# Altium PCB Drive_Board1.PcbDoc
Units mm, origin at the board's own origin, x right, y up, seen from the top; angles counter-clockwise.
Board outline 85.24 x 64.82 mm, 2 copper layers (Top Layer, Bottom Layer); 79 components, 38 nets, 229 pads, 294 vias.
Unrouted connection lines stored in the file: 1.
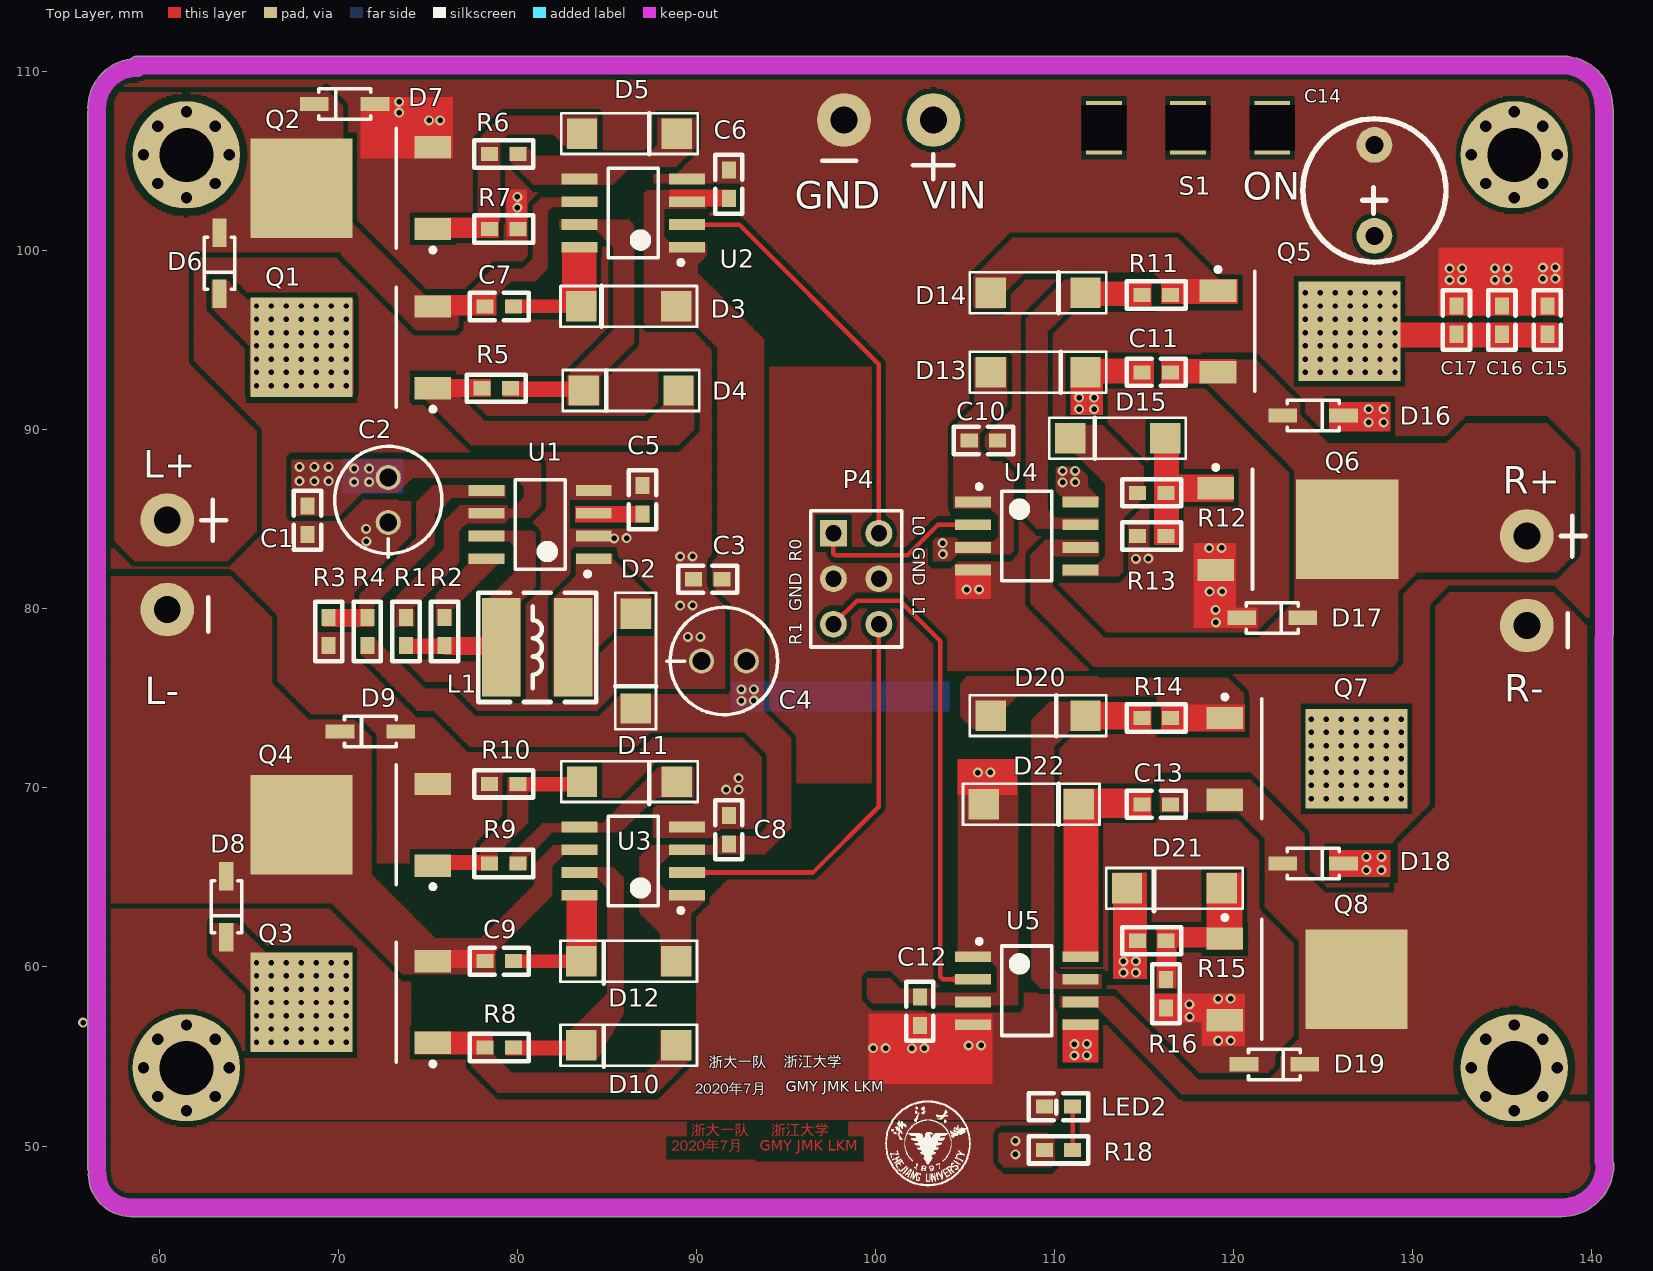
[diagram p0: Top Layer view]
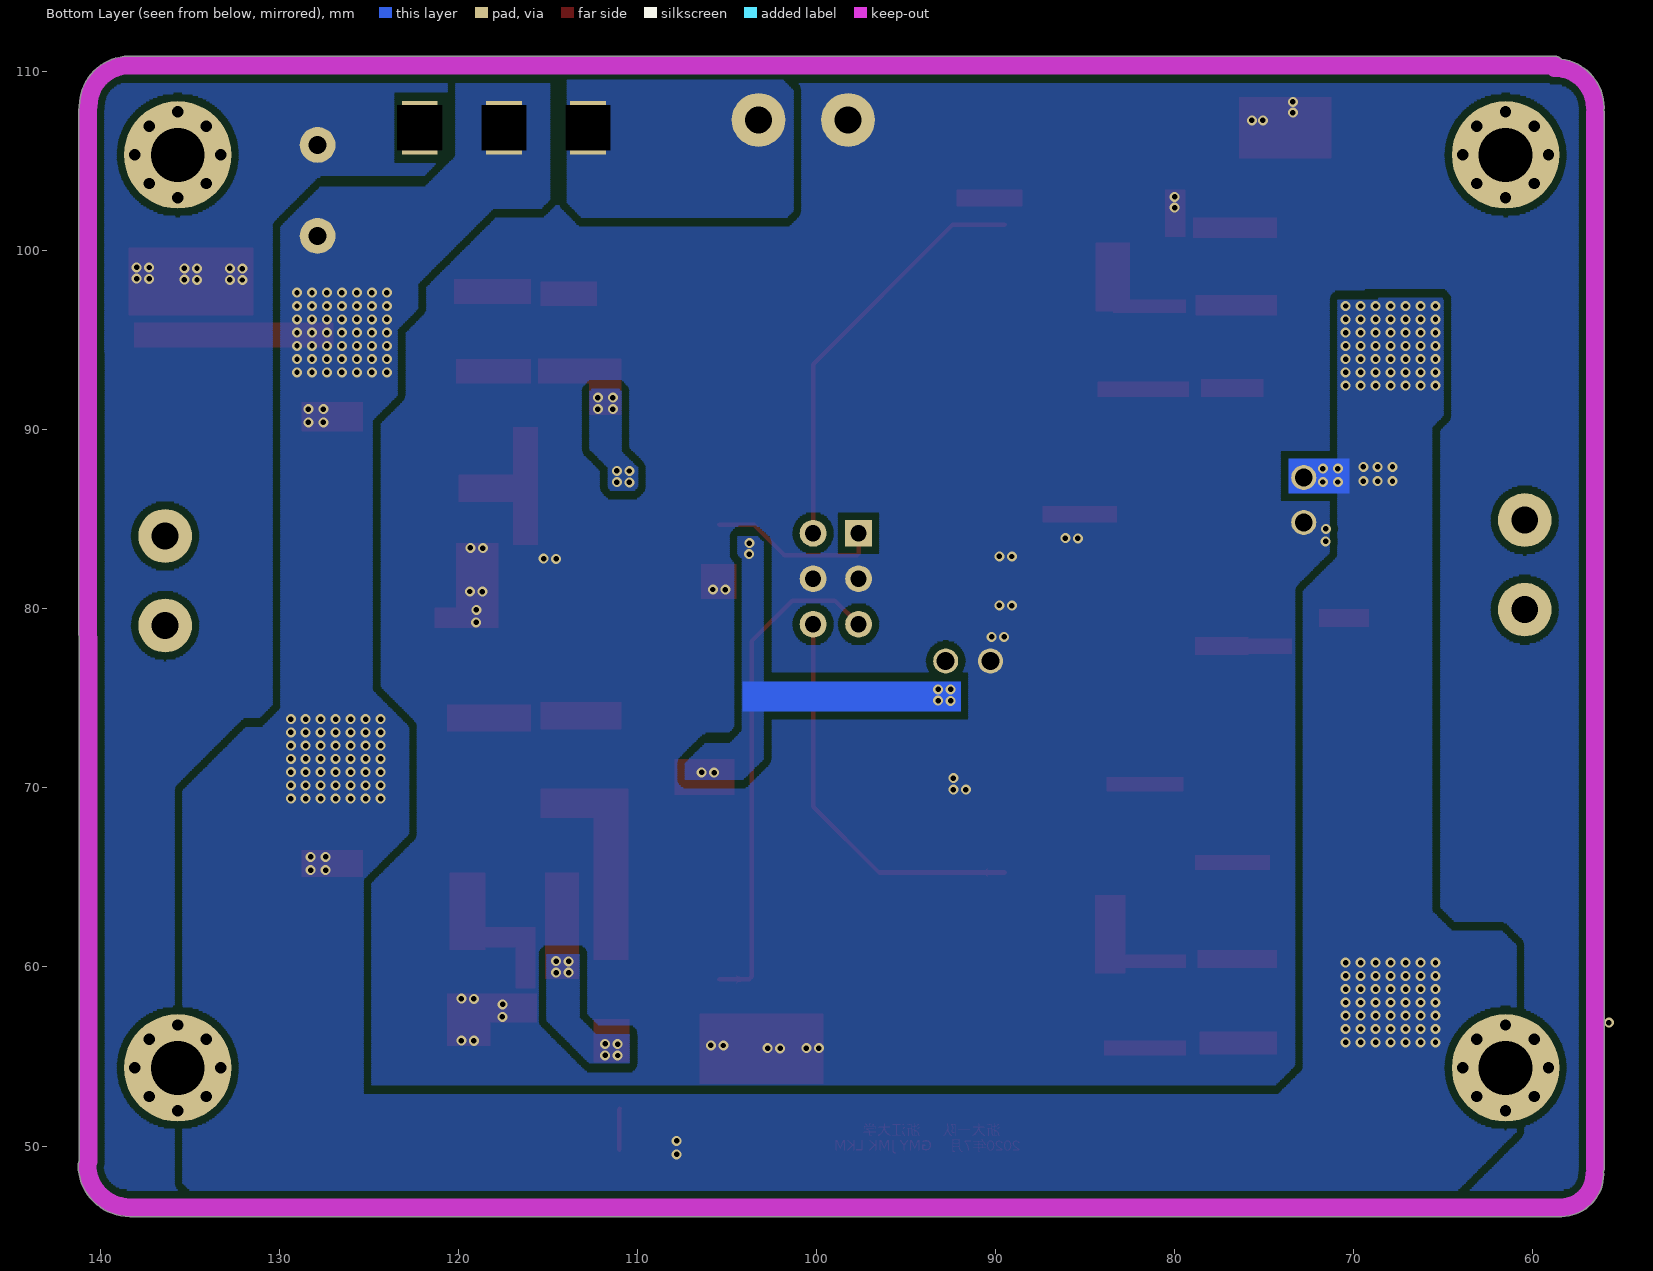
[diagram p1: Bottom Layer view, seen from below]

## Layer stack, top to bottom
Top Solder: solder mask 0.0102, Solder Resist, Dk 3.5
Top Layer: signal copper 0.0356
Dielectric 1: dielectric 0.32, FR-4, Dk 4.8
Bottom Layer: signal copper 0.0356
Bottom Solder: solder mask 0.0102, Solder Resist, Dk 3.5

## Board outline
58.386,46.063 ccw(c58.393,46.571) 58.403,46.063 ccw(c58.42,46.571) 58.42,46.062 138.367,46.062 ccw(c138.367,46.571) 138.371,46.062 ccw(c138.373,46.571) 138.374,46.062 ccw(c138.367,48.954) 141.259,48.912 ccw(c140.75,48.92) 141.259,48.92 ccw(c140.75,48.92) 141.188,49.178 141.224,107.823 ccw(c140.716,107.823) 141.224,107.823 ccw(c140.716,107.823) 141.187,108.014 ccw(c140.683,108.083) 141.192,108.083 ccw(c140.683,108.083) 141.192,108.084 ccw(c138.389,108.077) 138.429,110.88 ccw(c138.422,110.371) 138.409,110.88 ccw(c138.389,110.372) 138.389,110.88 58.782,110.88 ccw(c58.782,110.372) 58.411,110.719 ccw(c58.782,107.978) 56.016,108.018 ccw(c56.524,108.01) 56.036,107.866 ccw(c56.524,107.721) 56.015,107.721 56.015,48.768 ccw(c56.524,48.768) 56.062,48.554 ccw(c56.555,48.431) 56.047,48.429 ccw(c58.42,48.435)

## Design rules (kind name [scope] priority, off if disabled: settings)
Clearance [All] p1: gap=0.254 ignorepadtopadclearanceinfootprint=FALSE
PlaneConnect [All] p1: planeconnectstyle=Direct reliefexpansion=0.508 reliefentries=4 reliefconductorwidth=0.254 reliefairgap=0.254
PolygonConnect [All] p1: connectstyle=Direct reliefconductorwidth=0.254 reliefentries=4 polygonreliefangle="90 Angle" airgapwidth=0.254
RoutingVias [All] p1: holewidth=0.305 width=0.559 viastyle="Through Hole" minholewidth=0.305 minwidth=0.559 maxholewidth=0.305 maxwidth=0.559
SilkToSilkClearance [All] p1: silktosilkclearance=0.051
SolderMaskExpansion [All] p1: expansion=0.102
Width [All] p1: maxlimit=0.254 minlimit=0.254 preferedwidth=0.254
28 further rules are at their usual default settings.

## Classes and differential pairs
component class Sheet2: C1 C2 C3 C4 C5 C6 C7 C8 C9 C10 C11 C12 C13 C14 C15 C16 C17 D2 D3 D4 D5 D6 D7 D8 D9 D10 D11 D12 D13 D14 D15 D16 D17 D18 D19 D20 D21 D22 L1 P4 Q1 Q2 Q3 Q4 Q5 Q6 Q7 Q8 R1 R2 R3 R4 R5 R6 R7 R8 R9 R10 R11 R12 R13 R14 R15 R16 S1 U1 U2 U3 U4 U5

## Components (designator, comment, footprint, x,y, rotation, side; value= is the part's Value field where it differs from the comment)
C1 "Cap" 0603C 68.28,84.963 r90 top value=100nF
C2 "Cap" 电解电容 72.796,87.336 r270 top value=100uF/16V
C3 "Cap" 0603C 90.646,81.661 r0 top value=100nF
C4 "Cap" 电解电容 92.797,77.089 r180 top value=100uF/16V
C5 "Cap" 0603C 86.995,86.106 r270 top value=470pF
C6 "Cap" 0603C 91.821,103.715 r270 top value=100nF
C7 "Cap" 0603C 78.994,96.901 r0 top value=1.5uF
C8 "Cap" 0603C 91.821,67.666 r270 top value=100nF
C9 "Cap" 0603C 78.994,60.325 r0 top value=1.5uF
C10 "Cap" 0603C 106.045,89.408 r180 top value=100nF
C11 "Cap" 0603C 115.697,93.218 r180 top value=1.5uF
C12 "Cap" 0603C 102.489,57.531 r90 top value=100nF
C13 "Cap" 0603C 115.697,69.088 r180 top value=1.5uF
C14 "Cap" CAP5.08/8 127.865,100.797 r90 top value=470uF/16V
C15 "Cap" 0603C 137.541,96.139 r270 top value=100nF
C16 "Cap" 0603C 135.001,96.139 r270 top value=100nF
C17 "Cap" 0603C 132.461,96.139 r270 top value=100nF
D2 "SS14" ss54 86.614,77.089 r90 top
D3 "SS14" ss54 86.233,96.901 r0 top
D4 "SS14" ss54 86.36,92.202 r0 top
D5 "SS14" ss54 86.27,106.553 r0 top
D6 "1N4148" SOD123 63.373,100.965 r270 top
D7 "1N4148" SOD123 72.009,108.204 r180 top
D8 "1N4148" SOD123 63.754,65.022 r270 top
D9 "1N4148" SOD123 73.455,73.152 r180 top
D10 "SS14" ss54 86.233,55.626 r0 top
D11 "SS14" ss54 86.27,70.358 r0 top
D12 "SS14" ss54 86.233,60.325 r0 top
D13 "SS14" ss54 109.093,93.218 r180 top
D14 "SS14" ss54 109.093,97.663 r0 top
D15 "SS14" ss54 113.538,89.535 r0 top
D16 "1N4148" SOD123 122.809,90.805 r0 top
D17 "1N4148" SOD123 120.523,79.502 r0 top
D18 "1N4148" SOD123 122.809,65.786 r0 top
D19 "1N4148" SOD123 120.65,54.559 r0 top
D20 "SS14" ss54 109.093,74.041 r0 top
D21 "SS14" ss54 116.713,64.389 r180 top
D22 "SS14" ss54 108.712,69.088 r180 top
L1 "220uH" CD54 81.121,77.851 r0 top
L+ "Header 2" VCCBAT 60.452,80.518 r270 top (schematic designator P3)
LED2 "0" 0603C 110.236,52.197 r180 top
P1 "Header 2" VCCBAT 98.806,107.315 r180 top
P4 "Header 3X2" HDR2X3 97.663,84.226 r270 top
Q1 "MOSFET" DPAK-1 70.739,94.615 r180 top
Q2 "MOSFET" DPAK-1 70.739,103.505 r180 top
Q3 "MOSFET" DPAK-1 70.739,58.039 r180 top
Q4 "MOSFET" DPAK-1 70.739,67.945 r180 top
Q5 "MOSFET" DPAK-1 123.698,95.504 r0 top
Q6 "MOSFET" DPAK-1 123.571,84.455 r0 top
Q7 "MOSFET" DPAK-1 124.079,71.628 r0 top
Q8 "MOSFET" DPAK-1 124.079,59.309 r0 top
R1 "Res2" 0603R 73.787,78.74 r270 top value=0.91
R2 "Res2" 0603R 75.946,78.74 r270 top value=180
R3 "Res2" 0603R 69.469,78.74 r270 top value=3.9k
R4 "Res2" 0603R 71.628,78.74 r90 top value=33k
R5 "Res2" 0603R 78.835,92.329 r0 top value=20
R6 "Res2" 0603R 79.248,105.41 r0 top value=20
R7 "Res2" 0603R 79.248,101.219 r180 top value=10k
R8 "Res2" 0603R 78.994,55.499 r0 top value=20
R9 "Res2" 0603R 79.248,65.786 r0 top value=20
R10 "Res2" 0603R 79.248,70.231 r0 top value=10k
R11 "Res2" 0603R 115.697,97.536 r180 top value=20
R12 "Res2" 0603R 115.443,86.487 r180 top value=20
R13 "Res2" 0603R 115.443,84.074 r0 top value=10k
R14 "Res2" 0603R 115.697,73.914 r180 top value=20
R15 "Res2" 0603R 115.443,61.468 r180 top value=20
R16 "Res2" 0603R 116.237,58.503 r90 top value=10k
R18 "Res2" 0603R 110.236,49.784 r180 top value=11k
R+ "Header 2" VCCBAT 136.398,79.629 r270 top (schematic designator P2)
S1 "SW-SPDT" SW 117.476,106.883 r180 top
U1 "MC34063" SOIC-8 81.28,84.709 r180 top
U2 "IR2104" SOIC-8 86.487,102.108 r180 top
U3 "IR2104" SOIC-8 86.487,65.913 r180 top
U4 "IR2104" SOIC-8 108.458,84.074 r0 top
U5 "IR2104" SOIC-8 108.458,58.674 r0 top
? "Comment" "Mech Hole 1" 135.692,54.363 r0 top
? "Comment" "Mech Hole 1" 61.524,105.363 r0 top
? "Comment" "Mech Hole 1" 61.524,54.363 r0 top
? "Comment" "Mech Hole 1" 135.692,105.363 r0 top

## Footprints (in the part's own frame and the unit in brackets; to place one, negate y for a bottom-side part, rotate by r counter-clockwise, add the part's x,y. Pads: shape width x height; smd on the part's side, far side on the other; paste and mask are expansions set on the pad)
0603C [mil]
  rect 37.5x31 smd: 1(-31.25,0) 2(31.25,0)
  silkscreen extent -65,-30 65,30
0603R [mil]
  rect 37.5x31 smd: 1(-31.25,0) 2(31.25,0)
  silkscreen extent -65,-30 65,30
CAP5.08/8 [mm]
  round 2 hole 1: 1(0.041,-0.017) 2(5.121,-0.017)
  silkscreen extent -1.42,-4.02 6.58,3.98
CD54 [mm] "5.8*5.2*4.5mm（长宽高）"
  rect 2.15x5.5 smd: 1(-2,0) 2(2,0)
  silkscreen extent -3.3,-3.05 3.3,3.05, body extent -2.87,-2.5 2.87,2.5, height 4
DPAK-1 [mm]
  rect 5.7x5.55 smd: 1(2.794,0)
  rect 2.05x1.25 smd: 2(-4.55,2.28) 3(-4.55,-2.28)
  silkscreen extent -4.68,-3.35 -2.5,3.58, body extent -2.15,-3.37 4.07,3.37, height 2.38
HDR2X3 [mm] "Connector; Header; 3x2 Position"
  rect 1.5x1.5 hole 0.9: 1(0,0)
  round 1.5 hole 0.9: 2(0,2.54) 3(2.54,0) 4(2.54,2.54) 5(5.08,0) 6(5.08,2.54)
  silkscreen extent -1.27,-1.27 6.35,3.81
"Mech Hole 1" [mm]
  round 6 hole 3: 0(0,0)
  round 0.635 hole 0.635: 1(-2.4,0) 1(-1.6,-1.6) 1(-1.6,1.6) 1(0,-2.4) 1(0,2.4) 1(1.6,-1.6) 1(1.6,1.6) 1(2.4,0)
SOD123 [mm]
  rect 1.6x0.8 smd: 1(-0.049,0) 2(3.351,0)
  silkscreen extent 0.2,-0.85 3.1,0.85
SOIC-8 [mm]
  rect 2x0.6 smd: 1(-3,1.905) 2(-3,0.635) 3(-3,-0.635) 4(-3,-1.905) 5(3,-1.905) 6(3,-0.635) 7(3,0.635) 8(3,1.905)
  silkscreen extent -2.78,-2.5 1.4,2.88, body extent -3.05,-2.44 3.05,2.46, height 1.51
ss54 [mm]
  rect 1.7x1.7 smd: A(-2.65,0) K(2.65,0)
  silkscreen extent -3.81,-1.14 3.81,1.14
SW [mm]
  rect 2x3 hole 2.5 square: 1(-4.7,0) 2(0,0) 3(4.7,0)
VCCBAT [mm]
  round 3 hole 1.5: 1(-4.445,0) 1(0.555,0)
  silkscreen extent -5.59,1.9 1.78,3.3
电解电容 [mm]
  round 1.4 hole 1: 1(0,0) 2(2.5,0)
  silkscreen extent -1.75,-3 4.44,3

## Part data
C1 C3 C5 C6 C7 C8 C9 C10 C11 C12 C13 C15 C16 C17: "Capacitor", LatestRevisionDate=17-Jul-2002, LatestRevisionNote="Re-released for DXP Platform.", PackageDescription="Radial Cap, Thru-Hole; 2 Leads; 0.3 in Pin Spacing", PackageReference=RAD-0.3, Published=8-Jun-2000, Publisher="Altium Limited"
C2 C4 C14: library part Cap2, "Capacitor", LatestRevisionDate=17-Jul-2002, LatestRevisionNote="Re-released for DXP Platform.", PackageDescription="Radial Cap, Thru-Hole; 2 Leads; 0.3 in Pin Spacing", PackageReference=RAD-0.3, Published=8-Jun-2000, Publisher="Altium Limited"
D2 D3 D4 D5 D10 D11 D12 D13 D14 D15 D20 D21 D22: library part Diode_1, "Default Diode", Code_JEDEC=DO-214-AB, LatestRevisionDate=17-Jul-2002, LatestRevisionNote="Re-released for DXP Platform.", PackageDescription="DO-214-AB/SMC; 2 C-Bend Leads; Body 7.9 x 5.9 mm, inc. leads (LxW)", PackageReference=SMC, PackageVersion=Sep-1996, Published=8-Jun-2000, Publisher="Altium Limited"
D6 D7 D8 D9 D16 D17 D18 D19: library part Diode_2, "Default Diode", Code_JEDEC=DO-214-AB, LatestRevisionDate=17-Jul-2002, LatestRevisionNote="Re-released for DXP Platform.", PackageDescription="DO-214-AB/SMC; 2 C-Bend Leads; Body 7.9 x 5.9 mm, inc. leads (LxW)", PackageReference=SMC, PackageVersion=Sep-1996, Published=8-Jun-2000, Publisher="Altium Limited"
L1: library part Inductor_2, "Inductor", Code_IEC=1005, Code_JEITA=0402, LatestRevisionDate=29-May-2009, LatestRevisionNote="IPC-7351 Footprint Added.", PackageDescription="Chip Inductor", PackageReference=0402-A, Published=8-Jun-2000, Publisher="Altium Limited"
L+ P1 R+: library part "Header 2_2", "Header, 2-Pin", LatestRevisionDate=17-Jul-2002, LatestRevisionNote="Re-released for DXP Platform.", Publisher="Altium Limited"
LED2: library part LED2, "Typical RED, GREEN, YELLOW, AMBER GaAs LED", LatestRevisionDate=17-Jul-2002, LatestRevisionNote="Re-released for DXP Platform.", PackageDescription="SM LED; 2 Flat Leads", PackageReference=3.2X1.6X1.1, PackageVersion=Feb-2002, Published=8-Jun-2000, Publisher="Altium Limited"
P4: "Header, 3-Pin, Dual row", LatestRevisionDate=17-Jul-2002, LatestRevisionNote="Re-released for DXP Platform.", Publisher="Altium Limited"
Q1 Q2 Q3 Q4 Q5 Q6 Q7 Q8: library part MOSFET-N
R1 R2 R3 R4 R6 R7 R8 R9 R10 R11 R12 R13 R14 R15 R16 R18: "Resistor", LatestRevisionDate=17-Jul-2002, LatestRevisionNote="Re-released for DXP Platform.", PackageDescription="Axial Device, Thru-Hole; 2 Leads; 0.4 in Pin Spacing", PackageReference=AXIAL-0.4, Published=8-Jun-2000, Publisher="Altium Limited"
R5: "Resistor 用了15欧", LatestRevisionDate=17-Jul-2002, LatestRevisionNote="Re-released for DXP Platform.", PackageDescription="Axial Device, Thru-Hole; 2 Leads; 0.4 in Pin Spacing", PackageReference=AXIAL-0.4, Published=8-Jun-2000, Publisher="Altium Limited"
S1: "SPDT Subminiature Toggle Switch, Right Angle Mounting, Vertical Actuation", ComponentLink1Description="Manufacturer Link", ComponentLink1URL=http://www.apem.com, DatasheetVersion=05-Dec-2000, LatestRevisionDate=17-Dec-2003, LatestRevisionNote="Schematic revised, PCB Footprint replaced.", PackageDescription="Switch; 4 Leads", PackageReference=TL36WW15050, Published=24-Mar-1999, Publisher="Altium Limited"

## Via types
v1: diameter 0.559, hole 0.305, Top Layer to Bottom Layer, tented both sides, 294 vias

## Nets (pads, with @x,y where several pads share a name; then routed paths per layer and width w, separated by ;. In a path a pad name is that pad's centre, name@x,y a point inside that pad or via, vN(x,y) a via of type N, cw(c..) or ccw(c..) an arc to the next point about the centre after c; other vN are vias at no path point)
D12V: C3.2 C4.1 C6.2 C8.2 C10.2 C12.2 D2.A D3.K D12.K D13.K D22.K R4.1 U2.1 U2.3 U3.1 U3.3 U4.1 U4.3 U5.1 U5.3
  other v1: 105.727,70.855 106.426,70.866 92.519,74.868 93.218,74.879 92.519,75.503 93.218,75.514 103.781,83.058 103.77,83.68
GND: C1.1 C2.2 C3.1 C4.2 C5.1 C6.1 C8.1 C10.1 C12.1 C14.2 C15.1 C16.1 C17.1 D7.1 D9.1 D17.1 D19.1 LED2.2 P1.1@98.251,107.315 P4.3 P4.4 Q2.3 Q4.3 Q6.3 Q8.3 R3.2 R7.1 R10.1 R13.1 R16.1 U1.2 U1.4 U2.4 U3.4 U4.4 U5.4
  other v1: 102.044,55.452 99.885,55.463 100.584,55.474 102.743,55.463 105.219,55.615 105.918,55.626 119.148,55.88 119.846,55.891 55.753,56.896 117.562,57.213 117.551,57.912 119.148,58.217 119.846,58.228 91.669,69.901 92.367,69.912 92.367,70.547 89.535,78.435 90.233,78.446 119.021,79.248 119.01,79.947 89.103,80.188 89.802,80.199 118.681,80.964 119.38,80.975 105.105,81.077 105.804,81.088 114.554,82.804 115.252,82.815 89.103,82.931 89.802,82.942 118.656,83.403 119.355,83.414 71.577,83.769 85.42,83.947 86.119,83.958 71.566,84.468 132.08,98.374 132.779,98.385 134.62,98.385 135.319,98.396 137.287,98.438 137.986,98.449 132.08,99.009 132.779,99.02 134.62,99.02 135.319,99.031 137.287,99.073 137.986,99.084 80.01,102.413 80.01,103.022 75.082,107.29 75.692,107.29 73.406,107.721 73.406,108.331
L0: P4.2 U2.2 | length 23.4
  Top Layer w0.254: U2.2 92.405,101.473 100.203,93.675 P4.2
L1: P4.6 U3.2 | length 22.4
  Top Layer w0.254: U3.2 96.52,65.278 100.203,68.961 P4.6
L+: C7.1 D6.1 D7.2 L+.1@60.452,84.963 Q1.3 Q2.1 U2.6
L-: C9.1 D8.1 D9.2 L+.1@60.452,79.963 Q3.3 Q4.1 U3.6
NetC5_2: C5.2 U1.3
NetC7_2: C7.2 D3.A U2.8
NetC9_2: C9.2 D12.A U3.8
NetC11_2: C11.2 D13.A U4.8
  other v1: 110.465,87.071 111.163,87.082 110.465,87.706 111.163,87.717 111.387,91.165 112.224,91.165 111.387,91.8 112.224,91.8
NetC13_2: C13.2 D22.A U5.8
NetD2_1: D2.K L1.2 U1.1
NetD4_1: D4.K Q1.2 R5.1
NetD4_2: D4.A R5.2 U2.7
NetD5_1: D5.A Q2.2 R6.1 R7.2
NetD5_2: D5.K R6.2 U2.5
NetD10_1: D10.K Q3.2 R8.1
NetD10_2: D10.A R8.2 U3.7
NetD11_1: D11.A Q4.2 R9.1 R10.2
NetD11_2: D11.K R9.2 U3.5
NetD14_1: D14.A Q5.2 R11.1
NetD14_2: D14.K R11.2 U4.7
NetD15_1: D15.K Q6.2 R12.1 R13.2
NetD15_2: D15.A R12.2 U4.5
NetD20_1: D20.A Q7.2 R14.1
NetD20_2: D20.K R14.2 U5.7
NetD21_1: D21.A Q8.2 R15.1 R16.2
NetD21_2: D21.K R15.2 U5.5
  other v1: 111.125,55.056 111.823,55.067 111.125,55.691 111.823,55.702 113.855,59.679 114.554,59.69 113.855,60.314 114.554,60.325
NetL1_1: L1.1 R1.2 R2.2 U1.7
NetLED2_1: LED2.1 R18.1 | length 2.3
  Top Layer w0.254: LED2.1@110.998,52.07 111.03,52.038 R18.1
NetR2_1: R2.1 U1.8
NetR3_1: R3.1 R4.2 U1.5
R0: P4.1 U4.2 | length 9.7
  Top Layer w0.254: P4.1 97.663,83.095 97.751,83.007 101.803,83.007 103.505,84.709 U4.2
R1: P4.5 U5.2 | length 28.1
  Top Layer w0.254: P4.5 98.984,80.467 101.371,80.467 103.632,78.207 103.632,59.458 103.781,59.309 U5.2
R+: C11.1 D16.1 D17.2 Q5.3 Q6.1 R+.1@136.398,84.074 U4.6
R-: C13.1 D18.1 D19.2 Q7.3 Q8.1 R+.1@136.398,79.074 U5.6
VCC: C1.2 C2.1 C14.1 C15.2 C16.2 C17.2 D6.2 D8.2 D16.2 D18.2 Q1.1 Q3.1 Q5.1 Q7.1 R1.1 R18.2 S1.2 U1.6
  other v1: 107.823,49.53 107.823,50.292 65.437,55.795 66.273,55.795 67.109,55.795 67.945,55.795 68.781,55.795 69.617,55.795 70.453,55.795 65.437,56.536 66.273,56.536 67.109,56.536 67.945,56.536 68.781,56.536 69.617,56.536 70.453,56.536 65.437,57.277 66.273,57.277 67.109,57.277 67.945,57.277 68.781,57.277 69.617,57.277 70.453,57.277 65.437,58.018 66.273,58.018 67.109,58.018 67.945,58.018 68.781,58.018 69.617,58.018 70.453,58.018 65.437,58.759 66.273,58.759 67.109,58.759 67.945,58.759 68.781,58.759 69.617,58.759 70.453,58.759 65.437,59.499 66.273,59.499 67.109,59.499 67.945,59.499 68.781,59.499 69.617,59.499 70.453,59.499 65.437,60.24 66.273,60.24 67.109,60.24 67.945,60.24 68.781,60.24 69.617,60.24 70.453,60.24 127.434,65.405 128.27,65.405 127.434,66.146 128.27,66.146 124.365,69.406 125.201,69.406 126.037,69.406 126.873,69.406 127.709,69.406 128.545,69.406 129.381,69.406 124.365,70.146 125.201,70.146 126.037,70.146 126.873,70.146 127.709,70.146 128.545,70.146 129.381,70.146 124.365,70.887 125.201,70.887 126.037,70.887 126.873,70.887 127.709,70.887 128.545,70.887 129.381,70.887 124.365,71.628 125.201,71.628 126.037,71.628 126.873,71.628 127.709,71.628 128.545,71.628 129.381,71.628 124.365,72.369 125.201,72.369 126.037,72.369 126.873,72.369 127.709,72.369 128.545,72.369 129.381,72.369 124.365,73.11 125.201,73.11 126.037,73.11 126.873,73.11 127.709,73.11 128.545,73.11 129.381,73.11 124.365,73.85 125.201,73.85 126.037,73.85 126.873,73.85 127.709,73.85 128.545,73.85 129.381,73.85 70.887,87.092 71.723,87.092 67.839,87.143 68.675,87.143 69.469,87.143 70.887,87.833 71.723,87.833 67.839,87.935 68.675,87.935 69.469,87.935 127.561,90.424 128.397,90.424 127.561,91.165 128.397,91.165 65.437,92.477 66.273,92.477 67.109,92.477 67.945,92.477 68.781,92.477 69.617,92.477 70.453,92.477 65.437,93.218 66.273,93.218 67.109,93.218 67.945,93.218 68.781,93.218 69.617,93.218 70.453,93.218 124.015,93.218 124.852,93.218 125.688,93.218 126.524,93.218 127.36,93.218 128.196,93.218 129.032,93.218 65.437,93.959 66.273,93.959 67.109,93.959 67.945,93.959 68.781,93.959 69.617,93.959 70.453,93.959 124.015,93.959 124.852,93.959 125.688,93.959 126.524,93.959 127.36,93.959 128.196,93.959 129.032,93.959 65.437,94.7 66.273,94.7 67.109,94.7 67.945,94.7 68.781,94.7 69.617,94.7 70.453,94.7 124.015,94.7 124.852,94.7 125.688,94.7 126.524,94.7 127.36,94.7 128.196,94.7 129.032,94.7 65.437,95.44 66.273,95.44 67.109,95.44 67.945,95.44 68.781,95.44 69.617,95.44 70.453,95.44 124.015,95.44 124.852,95.44 125.688,95.44 126.524,95.44 127.36,95.44 128.196,95.44 129.032,95.44 65.437,96.181 66.273,96.181 67.109,96.181 67.945,96.181 68.781,96.181 69.617,96.181 70.453,96.181 124.015,96.181 124.852,96.181 125.688,96.181 126.524,96.181 127.36,96.181 128.196,96.181 129.032,96.181 65.437,96.922 66.273,96.922 67.109,96.922 67.945,96.922 68.781,96.922 69.617,96.922 70.453,96.922 124.015,96.922 124.852,96.922 125.688,96.922 126.524,96.922 127.36,96.922 128.196,96.922 129.032,96.922 124.015,97.663 124.852,97.663 125.688,97.663 126.524,97.663 127.36,97.663 128.196,97.663 129.032,97.663
VIN: P1.1@103.251,107.315 S1.3
pads on no net: ?.0 ?.1 S1.1

## Polygon pours and split planes (outlines as drawn)
GND on Bottom Layer "Bottom Layer-GND" (hatched Horizontal grid 0.102 track 0.127, remove dead copper, pour order 202): 51.054,116.205 157.988,116.205 160.909,113.284 157.988,110.363 157.988,20.066 61.849,20.066 44.704,37.211
VCC on Bottom Layer "Bottom Layer-VCC 1" (hatched Horizontal grid 0.102 track 0.127, remove dead copper, pour order 154): 60.96,55.982 60.96,50.8 64.389,47.371 134.823,47.371 135.382,47.93 135.382,69.698 134.417,69.698 129.032,75.082 128.93,74.981 124.384,74.981 123.19,73.787 123.19,67.691 123.19,67.182 125.349,66.039 125.349,52.832 74.244,52.832 72.517,54.559
VIN on Bottom Layer "Bottom Layer-VIN" (hatched Horizontal grid 0.102 track 0.127, remove dead copper, pour order 182): 101.981,109.601 113.919,109.855 113.919,102.692 113.081,101.854 101.727,101.854 101.346,102.235 101.346,108.966 101.702,109.322
VCC on Bottom Layer "Bottom Layer-VCC 3" (hatched Horizontal grid 0.102 track 0.127, remove dead copper, pour order 180): 114.935,109.347 114.935,102.87 115.443,102.362 118.11,102.362 122.809,97.663 129.921,97.663 129.921,101.346 127.635,103.632 121.793,103.632 120.142,105.283 120.142,109.347
VCC on Bottom Layer "Bottom Layer-VCC 2" (hatched Horizontal grid 0.102 track 0.127, remove dead copper, pour order 100): 65.151,97.409 65.024,97.282 65.024,90.805 65.659,90.17 65.659,63.119 64.516,61.976 61.722,61.976 60.96,61.214 60.96,55.372 62.484,53.848 72.39,53.848 72.796,54.254 72.796,81.001 70.866,82.931 70.866,97.282
no net on Bottom Layer "Bottom Layer-No Net 1" (hatched Horizontal grid 0.102 track 0.127, remove dead copper, pour order 174): 55.372,112.014
no net on Bottom Layer "Bottom Layer-No Net" (hatched Horizontal grid 0.102 track 0.127, remove dead copper, pour order 152): 61.062,55.27
D12V on Bottom Layer "Bottom Layer-EN" (hatched Horizontal grid 0.102 track 0.127, remove dead copper, pour order 62): 107.29,70.485 107.315,70.51 107.315,71.374 106.147,72.542 104.775,72.542 104.14,73.177 104.14,82.804 104.394,83.058 104.394,84.023 104.292,84.125 103.429,84.125 102.997,83.693 102.997,71.628 104.14,70.485
NetD21_2 on Bottom Layer "Bottom Layer-NetD21_2" (hatched Horizontal grid 0.102 track 0.127, remove dead copper, pour order 42): 113.284,60.706 113.284,57.15 112.395,56.261 110.49,56.261 110.49,54.61 112.649,54.61 115.062,57.023 115.062,60.706
NetC11_2 on Bottom Layer "Bottom Layer-NetC11_2" (hatched Horizontal grid 0.102 track 0.127, remove dead copper, pour order 28): 110.947,92.151 110.947,88.798 110.033,87.884 110.033,86.817 110.236,86.614 111.455,86.614 111.633,86.792 111.633,87.909 112.649,88.925 112.649,92.151 112.471,92.329 111.125,92.329
VCC on Bottom Layer "Bottom Layer-VCC" (hatched Horizontal grid 0.102 track 0.127, remove dead copper, pour order 4): 122.301,96.774 123.444,95.631 123.444,91.948 124.841,90.551 124.841,75.438 122.809,73.406 122.809,67.437 125.857,64.389 133.096,64.389 135.382,66.675 135.382,69.85 131.826,73.406 130.937,73.406 129.921,74.422 129.921,98.298 128.651,99.568 122.301,99.568
GND on Top Layer "Top Layer-GND 7" (hatched Horizontal grid 0.102 track 0.127, remove dead copper, pour order 200): 51.054,116.205 157.988,116.205 160.909,113.284 157.988,110.363 157.988,20.066 61.849,20.066 44.704,37.211
R- on Top Layer "Top Layer-R-" (hatched Horizontal grid 0.102 track 0.127, remove dead copper, pour order 40): 129.032,64.11 129.032,66.662 131.318,68.948 131.318,80.112 132.182,80.975 137.795,80.975 140.335,78.435 140.335,52.832 130.882,52.832 130.81,52.904
VCC on Top Layer "Top Layer-VCC 5" (hatched Horizontal grid 0.102 track 0.127, remove dead copper, pour order 186): 107.188,50.8 109.474,50.8 109.982,50.292 109.982,49.022 109.728,48.768 107.315,48.768 106.934,49.149 106.934,50.673
no net on Top Layer "Top Layer-No Net 4" (hatched Horizontal grid 0.102 track 0.127, remove dead copper, pour order 184): 131.445,99.974
L+ on Top Layer "Top Layer-L+" (hatched Horizontal grid 0.102 track 0.127, remove dead copper, pour order 82): 74.879,97.434 70.231,102.083 70.231,108.077 69.342,108.966 69.215,108.839 57.785,108.839 57.531,108.585 57.531,83.82 58.674,82.677 63.754,82.677 65.405,84.328 65.405,89.916 61.595,93.726 61.595,99.416 62.128,99.949 70.231,99.949 70.231,99.746 74.397,95.58 76.505,95.58 76.683,95.758 76.683,97.409
GND on Top Layer "Top Layer-GND 6" (hatched Horizontal grid 0.102 track 0.127, remove dead copper, pour order 162): 88.392,76.073 90.856,76.073 91.389,76.606 91.389,79.54 90.221,80.708 90.221,83.465 89.307,84.379 83.312,84.379 83.312,83.68 86.672,83.68 88.392,82.222
GND on Top Layer "Top Layer-GND 3" (hatched Horizontal grid 0.102 track 0.127, remove dead copper, pour order 160): 67.691,82.906 67.691,78.638 69.52,76.81 69.723,77.013 69.723,78.232 69.215,78.232 68.707,78.74 68.707,83.007
VCC on Top Layer "Top Layer-VCC 4" (hatched Horizontal grid 0.102 track 0.127, remove dead copper, pour order 158): 73.264,80.656 75.957,83.348 75.957,84.899 76.814,85.757 79.424,85.757 79.424,84.961 79.299,84.836 77.165,84.836 76.708,84.379 76.708,82.615 74.124,80.032 74.219,79.937 74.219,78.943 73.282,78.943 73.264,78.961
GND on Top Layer "Top Layer-GND 4" (hatched Horizontal grid 0.102 track 0.127, remove dead copper, pour order 156): 70.866,84.633 72.072,85.839 73.419,85.839 73.812,85.446 73.812,84.069 72.649,82.906 67.691,82.906 67.691,84.582 67.691,84.633
D12V on Top Layer "Top Layer-EN 9" (hatched Horizontal grid 0.102 track 0.127, remove dead copper, pour order 144): 89.332,96.494 91.211,94.615 91.211,82.093 91.618,81.686 93.751,81.686 93.751,95.053 89.161,99.644
D12V on Top Layer "Top Layer-EN 10" (hatched Horizontal grid 0.102 track 0.127, remove dead copper, pour order 142): 92.202,67.31 93.472,67.31 93.98,67.818 93.98,71.895 92.456,73.419 92.456,74.574 93.459,74.574 95.25,72.783 95.25,67.767 93.776,66.293 91.313,66.293 91.313,67.005 91.567,67.259
D12V on Top Layer "Top Layer-EN 11" (hatched Horizontal grid 0.102 track 0.127, remove dead copper, pour order 140): 86.868,75.208 91.796,75.209 91.948,75.361 91.948,80.309 90.932,81.325 90.932,82.626 91.211,82.906 93.472,82.906 93.751,82.626 93.751,74.18 92.723,73.152 86.868,73.152
GND on Top Layer "Top Layer-GND 5" (hatched Horizontal grid 0.102 track 0.127, remove dead copper, pour order 138): 90.424,68.072 90.424,68.097 91.313,68.986 91.313,71.196 91.288,71.222 92.71,71.222 92.71,67.869 91.401,67.869 91.097,67.564 88.469,67.564 88.469,68.069
D12V on Top Layer "Top Layer-EN 4" (hatched Horizontal grid 0.102 track 0.127, remove dead copper, pour order 134): 71.272,77.521 74.524,74.27 75.438,74.27 77.381,72.326 86.614,72.326 87.44,73.152 87.44,75.209 85.826,75.209 84.582,73.965 77.648,73.965 76.048,75.565 74.787,75.565 71.993,78.359 71.298,78.359
no net on Top Layer "Top Layer-No Net 2" (hatched Horizontal grid 0.102 track 0.127, remove dead copper, pour order 132): 71.272,77.521
GND on Top Layer "Top Layer-GND 1" (hatched Horizontal grid 0.102 track 0.127, remove dead copper, pour order 130): 69.088,77.241 72.771,73.558 72.771,72.342 74.298,70.815 74.295,69.647 78.983,69.647 79.034,69.698 79.034,70.714 78.932,70.815 76.302,70.815 74.346,72.771 74.346,73.558 73.965,73.558 69.85,77.737 69.85,77.953 69.85,78.359 69.164,78.359 69.088,78.359
D12V on Top Layer "Top Layer-EN 5" (hatched Horizontal grid 0.102 track 0.127, remove dead copper, pour order 128): 90.983,66.853 91.44,67.31 92.202,67.31 92.202,66.421 92.151,66.37 91.44,66.37 91.363,66.293 89.333,66.293 89.281,66.345 89.281,66.853
VCC on Top Layer "Top Layer-VCC" (hatched Horizontal grid 0.102 track 0.127, remove dead copper, pour order 126): 67.437,88.392 73.406,88.392 73.787,88.011 73.787,87.011 73.238,86.462 71.272,86.462 70.028,85.217 67.437,85.217
D12V on Top Layer "Top Layer-EN 6" (hatched Horizontal grid 0.102 track 0.127, remove dead copper, pour order 124): 87.575,66.853 86.868,66.146 86.868,63.043 88.036,61.874 88.9,62.738 88.9,63.881 88.519,64.262 88.265,64.262 87.808,64.719 87.808,65.582 88.519,66.293 90.424,66.293 90.424,66.853
D12V on Top Layer "Top Layer-EN 7" (hatched Horizontal grid 0.102 track 0.127, remove dead copper, pour order 122): 88.519,63.754 88.036,63.271 88.036,59.499 89.662,59.499 89.662,62.941 90.424,63.703 90.424,64.262 88.519,64.262
NetD11_2 on Top Layer "Top Layer-NetD11_2" (hatched Horizontal grid 0.102 track 0.127, remove dead copper, pour order 120): 84.861,68.072 88.011,71.222 89.827,71.222 89.827,69.456 87.719,69.456 85.725,67.551 85.637,67.551 83.947,67.551 83.947,68.072
NetD11_2 on Top Layer "Top Layer-NetD11_2 1" (hatched Horizontal grid 0.102 track 0.127, remove dead copper, pour order 118): 79.604,66.167 81.509,68.072 84.48,68.072 84.48,67.551 81.953,67.551 80.518,66.115 80.518,65.43 79.578,65.43
L- on Top Layer "Top Layer-L-" (hatched Horizontal grid 0.102 track 0.127, remove dead copper, pour order 116): 82.55,66.853 82.114,66.853 80.995,65.733 80.995,64.586 77.47,61.062 77.47,59.639 78.765,59.639 78.765,60.858 81.915,64.008 81.915,65.634 82.544,66.262 84.455,66.262 84.455,66.777 84.43,66.802
L- on Top Layer "Top Layer-L- 1" (hatched Horizontal grid 0.102 track 0.127, remove dead copper, pour order 114): 58.522,81.839 63.932,81.839 66.273,79.498 66.273,75.84 68.326,73.787 70.866,73.787 71.831,72.822 71.831,65.151 75.311,61.671 78.257,61.671 78.765,61.163 78.765,59.538 73.711,59.538 69.647,63.602 56.667,63.602 54.991,65.278 54.991,81.991
NetD11_1 on Top Layer "Top Layer-NetD11_1" (hatched Horizontal grid 0.102 track 0.127, remove dead copper, pour order 112): 78.002,66.801 79.502,68.301 79.502,70.612 80.566,70.612 80.566,68.069 78.867,66.37 78.867,65.405 77.902,65.405 77.876,65.43
NetD10_2 on Top Layer "Top Layer-NetD10_2" (hatched Horizontal grid 0.102 track 0.127, remove dead copper, pour order 110): 84.455,65.024 85.09,64.389 85.09,58.522 82.931,56.363 82.931,54.966 83.033,54.864 84.43,54.864 85.903,57.404 85.903,64.984 85.253,65.634 82.55,65.634 82.55,65.024
NetD10_1 on Top Layer "Top Layer-NetD10_1" (hatched Horizontal grid 0.102 track 0.127, remove dead copper, pour order 108): 77.47,55.245 77.47,54.483 78.994,52.959 87.757,52.959 89.662,54.864 89.662,56.49 88.011,56.49 88.011,54.864 87.249,54.102 79.629,54.102 78.613,55.118 78.613,56.185 77.546,56.185 77.445,56.286
VCC on Top Layer "Top Layer-VCC 1" (hatched Horizontal grid 0.102 track 0.127, remove dead copper, pour order 106): 62.992,60.782 65.151,58.623 65.151,55.372 70.739,55.372 70.739,60.833 65.888,60.833 64.237,62.484 62.992,62.484
VCC on Top Layer "Top Layer-VCC 2" (hatched Horizontal grid 0.102 track 0.127, remove dead copper, pour order 104): 79.237,85.611 79.794,85.611 80.416,86.233 80.416,86.843 79.883,87.376 74.152,87.376 73.279,86.503 71.993,86.503 71.501,86.995 71.501,88.138 71.755,88.392 80.985,88.392 81.28,88.097 81.28,85.75 80.62,85.09 77.318,85.09 77.318,85.649
no net on Top Layer "Top Layer-No Net 3" (hatched Horizontal grid 0.102 track 0.127, remove dead copper, pour order 102): 70.815,86.571
GND on Top Layer "Top Layer-GND 2" (hatched Horizontal grid 0.102 track 0.127, remove dead copper, pour order 98): 85.192,86.868 85.66,87.336 87.376,87.336 87.376,86.487 87.147,86.258 83.261,86.258 83.261,86.884
NetR3_1 on Top Layer "Top Layer-NetR3_1" (hatched Horizontal grid 0.102 track 0.127, remove dead copper, pour order 96): 71.222,80.772 74.422,83.972 74.422,85.979 75.343,86.9 79.267,86.9 79.299,86.868 79.299,86.258 76.352,86.258 75.343,85.249 75.343,83.598 71.933,80.188 71.933,78.994 71.222,78.994
NetL1_1 on Top Layer "Top Layer-NetL1_1" (hatched Horizontal grid 0.102 track 0.127, remove dead copper, pour order 94): 79.197,83.791 79.219,83.769 79.629,83.769 79.883,83.515 79.883,82.027 78.374,80.518 78.105,80.518 78.105,75.082 80.137,75.082 80.137,80.391 80.995,81.249 80.995,84.217 80.782,84.43 77.318,84.43 77.318,83.82
NetR2_1 on Top Layer "Top Layer-NetR2_1" (hatched Horizontal grid 0.102 track 0.127, remove dead copper, pour order 92): 75.489,80.797 77.292,82.474 77.292,83.095 79.248,83.095 79.248,82.601 78.969,82.601 76.327,79.959 76.327,79.045 75.489,79.045
NetD2_1 on Top Layer "Top Layer-NetD2_1" (hatched Horizontal grid 0.102 track 0.127, remove dead copper, pour order 90): 83.312,81.839 82.042,80.569 82.042,75.082 84.125,75.082 84.28,75.238 84.28,77.651 85.496,78.867 87.503,78.867 87.503,80.594 85.293,82.804 85.293,83.109 83.312,83.109
VCC on Top Layer "Top Layer-VCC 3" (hatched Horizontal grid 0.102 track 0.127, remove dead copper, pour order 88): 62.967,98.349 62.967,96.825 65.1,94.691 65.1,91.948 70.739,91.948 70.815,92.024 70.815,97.282 64.846,97.282 63.779,98.349
D12V on Top Layer "Top Layer-EN 8" (hatched Horizontal grid 0.102 track 0.127, remove dead copper, pour order 84): 88.519,103.429 87.351,103.429 87.122,103.2 87.122,96.012 87.325,95.809 89.916,95.809 90.043,95.936 90.043,99.251 90.551,99.758 90.551,100.355 90.424,100.482 88.468,100.482 88.163,100.787 88.163,102.311 88.265,102.413 90.551,102.413 90.551,103.361
NetD4_1 on Top Layer "Top Layer-NetD4_1" (hatched Horizontal grid 0.102 track 0.127, remove dead copper, pour order 80): 74.295,91.745 74.879,91.745 77.47,89.154 88.963,89.154 89.852,90.043 89.852,92.9 89.789,92.964 88.265,92.964 88.265,91.44 87.249,90.424 78.207,90.424 76.581,92.05
NetD4_2 on Top Layer "Top Layer-NetD4_2" (hatched Horizontal grid 0.102 track 0.127, remove dead copper, pour order 76): 85.42,100.203 85.42,95.58 82.804,92.964 82.804,91.338 84.582,91.338 84.582,92.964 86.487,94.869 86.487,101.448 86.131,101.803 82.398,101.803 82.398,101.194 84.43,101.194
L+ on Top Layer "Top Layer-L+ 1" (hatched Horizontal grid 0.102 track 0.127, remove dead copper, pour order 74): 81.432,103.022 80.924,102.514 80.924,99.568 80.416,99.06 78.74,99.06 76.962,97.282 78.588,97.282 79.604,98.298 80.944,98.298 81.661,99.015 81.661,102.21 81.94,102.489 84.455,102.489 84.455,103.022
NetD5_1 on Top Layer "Top Layer-NetD5_1" (hatched Horizontal grid 0.102 track 0.127, remove dead copper, pour order 72): 78.029,106.375 77.851,106.197 77.851,101.473 78.816,101.473 78.994,101.651 78.994,106.375
NetD5_2 on Top Layer "Top Layer-NetD5_2" (hatched Horizontal grid 0.102 track 0.127, remove dead copper, pour order 68): 79.629,105.029 81.026,103.632 85.217,103.632 86.233,104.648 88.773,104.648 89.916,105.791 89.916,107.493 87.884,107.493 87.884,105.918 87.224,105.258 81.045,105.258 80.518,105.785 79.629,105.785
NetD5_1 on Top Layer "Top Layer-NetD5_1 1" (hatched Horizontal grid 0.102 track 0.127, remove dead copper, pour order 66): 77.978,106.324 79.248,107.594 84.43,107.594 84.455,107.569 84.455,105.664 82.906,105.664 81.991,106.578 79.502,106.578 78.994,106.07 78.994,105.029 78.003,105.029 77.978,105.054
no net on Top Layer "Top Layer-No Net 1" (hatched Horizontal grid 0.102 track 0.127, remove dead copper, pour order 58): 105.156,70.409
D12V on Top Layer "Top Layer-EN 2" (hatched Horizontal grid 0.102 track 0.127, remove dead copper, pour order 56): 103.505,84.023 103.251,83.769 103.251,82.626 103.276,82.601 104.089,82.601 104.775,83.287 104.775,83.642 104.394,84.023
GND on Top Layer "Top Layer-GND" (hatched Horizontal grid 0.102 track 0.127, remove dead copper, pour order 52): 114.173,83.718 114.173,82.55 114.427,82.296 115.659,82.296 115.76,82.398 115.76,83.02 115.062,83.718 115.062,84.43 114.224,84.43 114.198,84.455
D12V on Top Layer "Top Layer-EN 3" (hatched Horizontal grid 0.102 track 0.127, remove dead copper, pour order 48): 106.299,60.35 106.477,60.35 106.839,59.988 106.839,58.547 103.276,58.547 102.997,58.826 101.321,58.826 100.711,59.436 99.67,59.436 99.568,59.334 99.568,58.293 99.949,57.912 102.921,57.912 103.022,57.81 107.95,57.81 107.95,69.834 107.375,70.409 104.953,70.409 104.648,70.104 104.648,67.412 104.648,66.726 104.648,60.35
NetD20_1 on Top Layer "Top Layer-NetD20_1" (hatched Horizontal grid 0.102 track 0.127, remove dead copper, pour order 46): 116.319,74.155 115.291,75.184 107.95,75.184 107.188,74.422 107.188,73.254 105.639,73.279 105.512,73.279 104.8,73.99 104.8,75.794 105.155,76.213 119.621,76.187 120.574,75.235 120.574,74.422
NetD20_2 on Top Layer "Top Layer-NetD20_2" (hatched Horizontal grid 0.102 track 0.127, remove dead copper, pour order 44): 110.236,58.801 109.296,58.801 108.763,59.334 108.763,73.787 109.779,74.803 112.497,74.803 112.624,74.676 112.548,74.601 112.548,73.406 111.036,73.406 109.957,72.326 109.957,59.842 110.236,59.563 112.598,59.563 112.598,58.773
R- on Top Layer "Top Layer-R- 1" (hatched Horizontal grid 0.102 track 0.127, remove dead copper, pour order 38): 110.363,57.785 110.642,57.785 112.395,57.785 117.221,52.832 116.586,52.832 130.937,52.832 130.937,54.356 122.682,54.356 122.072,53.746 117.958,53.746 113.284,58.42 110.363,58.42
R- on Top Layer "Top Layer-R- 2" (hatched Horizontal grid 0.102 track 0.127, remove dead copper, pour order 36): 115.951,68.58 120.396,68.58 121.793,67.183 121.793,63.373 123.698,61.468 123.698,55.982 122.682,54.966 122.682,53.164 122.76,53.086 130.429,53.086 130.937,53.594 130.937,62.357 129.159,64.135 125.095,64.135 123.952,65.278 123.952,67.412 120.879,70.485 118.626,70.485 118.237,70.485 115.951,70.485
D12V on Top Layer "Top Layer-EN" (hatched Horizontal grid 0.102 track 0.127, remove dead copper, pour order 34): 106.451,85.649 106.909,85.192 106.909,84.023 106.677,83.791 104.496,83.791 104.496,83.007 107.297,83.007 107.461,83.007 107.696,83.269 107.696,87.579 106.985,88.29 105.918,88.29
D12V on Top Layer "Top Layer-EN 1" (hatched Horizontal grid 0.102 track 0.127, remove dead copper, pour order 32): 105.577,92.456 105.577,91.302 104.394,90.119 104.394,85.611 106.451,85.611 106.451,88.24 105.791,88.9 105.791,89.814 107.315,91.338 107.315,94.031 107.264,94.082 105.537,94.082
NetC11_2 on Top Layer "Top Layer-NetC11_2" (hatched Horizontal grid 0.102 track 0.127, remove dead copper, pour order 26): 111.811,86.97 111.811,86.843 112.519,86.134 112.364,85.979 111.458,85.979
NetC11_2 on Top Layer "Top Layer-NetC11_2 1" (hatched Horizontal grid 0.102 track 0.127, remove dead copper, pour order 24): 110.49,85.725 110.49,86.233 110.122,86.601 110.122,87.884 110.223,87.986 111.252,87.986 111.811,87.427 111.811,86.258
NetD14_2 on Top Layer "Top Layer-NetD14_2" (hatched Horizontal grid 0.102 track 0.127, remove dead copper, pour order 22): 112.42,84.43 109.144,84.43 108.458,85.115 108.458,96.215 110.693,98.45 112.547,98.45 112.573,98.425 112.522,98.374 112.522,96.926 111.011,96.926 109.525,95.44 109.576,95.39 109.576,85.547 110.084,85.039 112.42,85.039
R+ on Top Layer "Top Layer-R+" (hatched Horizontal grid 0.102 track 0.127, remove dead copper, pour order 20): 110.49,83.915 109.62,83.915 108.712,83.007 108.712,80.315 112.319,76.708 122.682,76.708 122.682,79.273 122.504,79.451 121.387,78.334 112.801,78.334 109.855,81.28 109.855,83.007 112.471,83.007 112.471,83.668 112.224,83.915
NetD15_2 on Top Layer "Top Layer-NetD15_2" (hatched Horizontal grid 0.102 track 0.127, remove dead copper, pour order 18): 110.49,82.423 112.395,82.423 112.911,82.939 112.911,86.987 111.125,88.773 110.109,88.773 110.109,90.322 110.134,90.297 112.598,90.297 114.935,87.96 114.935,86.182 113.792,85.039 113.792,82.093 113.487,81.788 110.49,81.788
R+ on Top Layer "Top Layer-R+ 1" (hatched Horizontal grid 0.102 track 0.127, remove dead copper, pour order 14): 127,89.281 131.978,89.281 133.121,90.424 137.414,90.424 139.065,88.773 139.065,83.109 137.947,81.991 130.175,81.991 129.159,80.975
no net on Top Layer "Top Layer-No Net" (hatched Horizontal grid 0.102 track 0.127, remove dead copper, pour order 10): 127.991,88.29
R+ on Top Layer "Top Layer-R+ 2" (hatched Horizontal grid 0.102 track 0.127, remove dead copper, pour order 8): 118.491,92.71 121.539,89.662 123.444,87.757 123.444,80.391 122.301,79.248 122.301,76.962 122.555,76.708 128.778,76.708 129.159,77.089 129.159,87.122 127,89.281 125.222,89.281 123.698,90.805 123.698,91.44 121.179,93.959 118.352,93.959
NetD14_1 on Top Layer "Top Layer-NetD14_1" (hatched Horizontal grid 0.102 track 0.127, remove dead copper, pour order 6): 105.537,98.552 107.696,100.711 116.84,100.711 119.38,98.171 119.38,97.663 116.713,97.663 115.57,98.806 108.331,98.806 107.188,97.663 107.188,96.774 105.606,96.774 105.537,96.895 105.537,97.001

## Keep-outs
Keep-Out Layer:
  lines w1.016: 56.524,48.768 56.524,107.721 ; 56.524,108.01 cw(c58.782,107.978) 58.776,110.236 ; 56.555,48.431 ccw(c58.42,48.435) 58.393,46.571 ; 58.42,46.571 138.367,46.571 ; 58.782,110.372 138.389,110.372 ; 138.373,46.571 ccw(c138.367,48.954) 140.75,48.92 ; 138.422,110.371 cw(c138.389,108.077) 140.683,108.083 ; 140.68,49.149 140.716,107.823

## Other copper
Top Layer:
  rectangle net NetD21_1: 115.697,58.801 116.84,61.849
  rectangle net NetD21_1: 118.491,60.96 120.523,65.278
  rectangle net NetD21_1: 115.697,61.087 120.396,62.23
  rectangle net NetD21_2: 113.284,61.087 115.189,65.278
  rectangle net NetC9_2: 79.375,59.944 84.074,60.706
  rectangle net NetC9_2: 82.753,59.639 84.455,64.008
  rectangle net NetD10_2: 79.375,55.056 83.947,55.891
  rectangle net NetD4_2: 79.197,91.846 84.328,92.71
  rectangle net NetC7_2: 82.499,96.622 84.43,100.482
  rectangle net GND: 131.47,96.393 138.455,100.203
  rectangle net VCC: 127,94.615 138.151,96.012
  rectangle net NetL1_1: 75.87,77.419 78.867,78.435
  rectangle net GND: 71.247,105.156 76.403,108.61
  rectangle net NetC5_2: 83.217,84.836 87.376,85.75
  rectangle net GND: 79.4,100.787 80.537,103.429
  rectangle net NetL1_1: 73.457,77.47 76.2,78.359
  rectangle net L-: 74.295,59.944 78.74,60.96
  rectangle net NetD10_1: 74.295,55.118 78.613,56.388
  rectangle net NetD11_1: 74.676,65.405 78.867,66.262
  rectangle net NetD11_1: 79.502,69.799 83.82,70.612
  rectangle net NetR3_1: 69.144,78.994 71.933,80.01
  rectangle net NetD4_1: 75.057,91.846 78.537,92.837
  rectangle net NetC7_2: 79.375,96.52 83.439,97.282
  rectangle net L+: 74.295,96.393 78.842,97.536
  rectangle net D12V: 88.519,102.489 92.202,103.429
  rectangle net NetD5_1: 74.295,100.711 78.994,101.854
  rectangle net D12V: 104.597,69.596 107.95,71.628
  rectangle net GND: 104.496,80.569 106.477,82.499
  rectangle net GND: 118.237,78.943 121.361,80.086
  rectangle net GND: 117.78,78.943 120.142,83.693
  rectangle net GND: 118.237,55.575 120.65,58.522
  rectangle net GND: 115.637,56.896 120.65,58.522
  rectangle net GND: 99.619,53.467 106.553,57.404
  rectangle net NetD21_2: 110.448,54.661 112.471,57.099
  rectangle net NetD21_2: 113.284,59.334 115.189,61.341
  rectangle net NetC13_2: 110.515,60.403 112.471,69.977
  rectangle net NetC13_2: 110.515,68.326 115.443,69.977
  rectangle net NetD20_2: 110.909,73.279 115.443,74.803
  rectangle net NetD20_1: 115.951,73.152 120.65,74.676
  rectangle net NetC11_2: 110.909,90.83 112.725,93.98
  rectangle net NetC11_2: 111.362,92.583 115.57,93.98
  rectangle net NetD14_2: 112.268,96.922 115.443,98.298
  rectangle net NetD15_1: 115.57,83.566 116.967,86.233
  rectangle net NetD15_1: 115.57,85.979 120.015,87.503
  rectangle net NetD15_1: 115.57,85.979 116.967,90.17
  rectangle net R+: 115.951,92.583 120.142,93.959
  rectangle net NetD14_1: 115.951,97.028 120.269,98.425
  rectangle net VCC: 125.349,65.024 128.778,66.548
  rectangle net VCC: 125.349,89.916 128.778,91.567
  pour cut-out: 93.345,51.43
  pour cut-out: 110.321,51.689 109.635,51.003 109.563,51.003 109.766,50.8 110.439,51.473 110.439,51.576 110.33,51.576 110.09,51.816
  pour cut-out: 108.077,58.928 108.966,58.928 109.22,58.674 109.093,58.547 108.077,58.547
  pour cut-out: 103.886,76.581 105.41,76.581 105.537,76.454 105.41,76.327 103.886,76.327
  pour cut-out: 90.678,64.135 91.567,65.024 91.948,65.024 90.678,63.754
  pour cut-out: 95.377,70.231 99.949,70.231 99.949,69.723 99.822,69.596 95.377,69.596
  pour cut-out: 74.041,59.436 74.041,56.515 74.168,56.388 74.295,56.515 74.803,56.515 74.803,59.309 74.676,59.436
  pour cut-out: 84.582,69.469 84.328,69.215 85.979,69.215 85.725,69.469
  pour cut-out: 84.582,69.469 85.979,69.469 85.725,69.215 85.598,69.342 84.455,69.342
  pour cut-out: 87.376,68.834 87.63,68.834 87.63,66.929 87.503,67.056 87.376,67.056
  pour cut-out: 89.789,59.436 89.789,56.515 90.043,56.515 90.043,59.436
  pour cut-out: 87.503,68.961 87.503,67.056 87.63,67.056 87.63,68.961
  pour cut-out: 98.254,93.765 99.747,93.765 99.758,93.777 100.019,93.516 100.019,93.472 98.495,93.472 98.292,93.675
  pour cut-out: 99.758,93.472 94.234,93.472 93.941,93.765 93.941,95.402
  pour cut-out: 87.466,104.394 87.503,104.357 87.503,103.698 87.595,103.698 87.661,103.632 87.661,104.445 87.554,104.445 87.503,104.394
  pour cut-out: 72.019,65.837 74.091,65.837 74.168,65.76 74.168,65.43 71.933,65.43 72.019,65.516
  pour cut-out: 73.24,86.078 73.812,85.954 74.132,85.954 74.285,86.106 73.777,86.614 73.629,86.614
  pour cut-out: 73.238,86.462
  text "浙大一队" at 89.733,50.419 h1.02
  text "浙江大学" at 94.192,50.419 h1.02
  text "2020年7月" at 88.604,49.53 h1.02
  text "GMY JMK LKM" at 93.557,49.53 h1.02
Bottom Layer:
  rectangle net D12V: 91.948,74.27 104.14,75.946
  rectangle net VCC: 70.231,86.462 73.66,88.392

## Silkscreen, mask and mechanical layers (free items; w line width, h text height)
Top Overlay:
  drawing of 1354 lines, arcs and shapes, not listed
  text "ON" at 120.523,102.87 h1.52
  text "GND" at 95.504,102.362 h1.52
  text "VIN" at 102.616,102.362 h1.52
  text "L0  GND  L1" at 102.108,85.217 h0.69 r270
  text "R1  GND  R0" at 95.885,77.978 h0.69 r90
  text "R-" at 135.128,74.803 h1.52
  text "L-" at 59.182,74.676 h1.52
  text "浙江大学" at 94.881,54.229 h1.02
  text "浙大一队" at 90.703,54.197 h1.02
  text "GMY JMK LKM" at 94.996,52.832 h1.02
  text "2020年7月" at 89.916,52.73 h1.02